# KiCad board MozzaCircuit.kicad_pcb (continued)
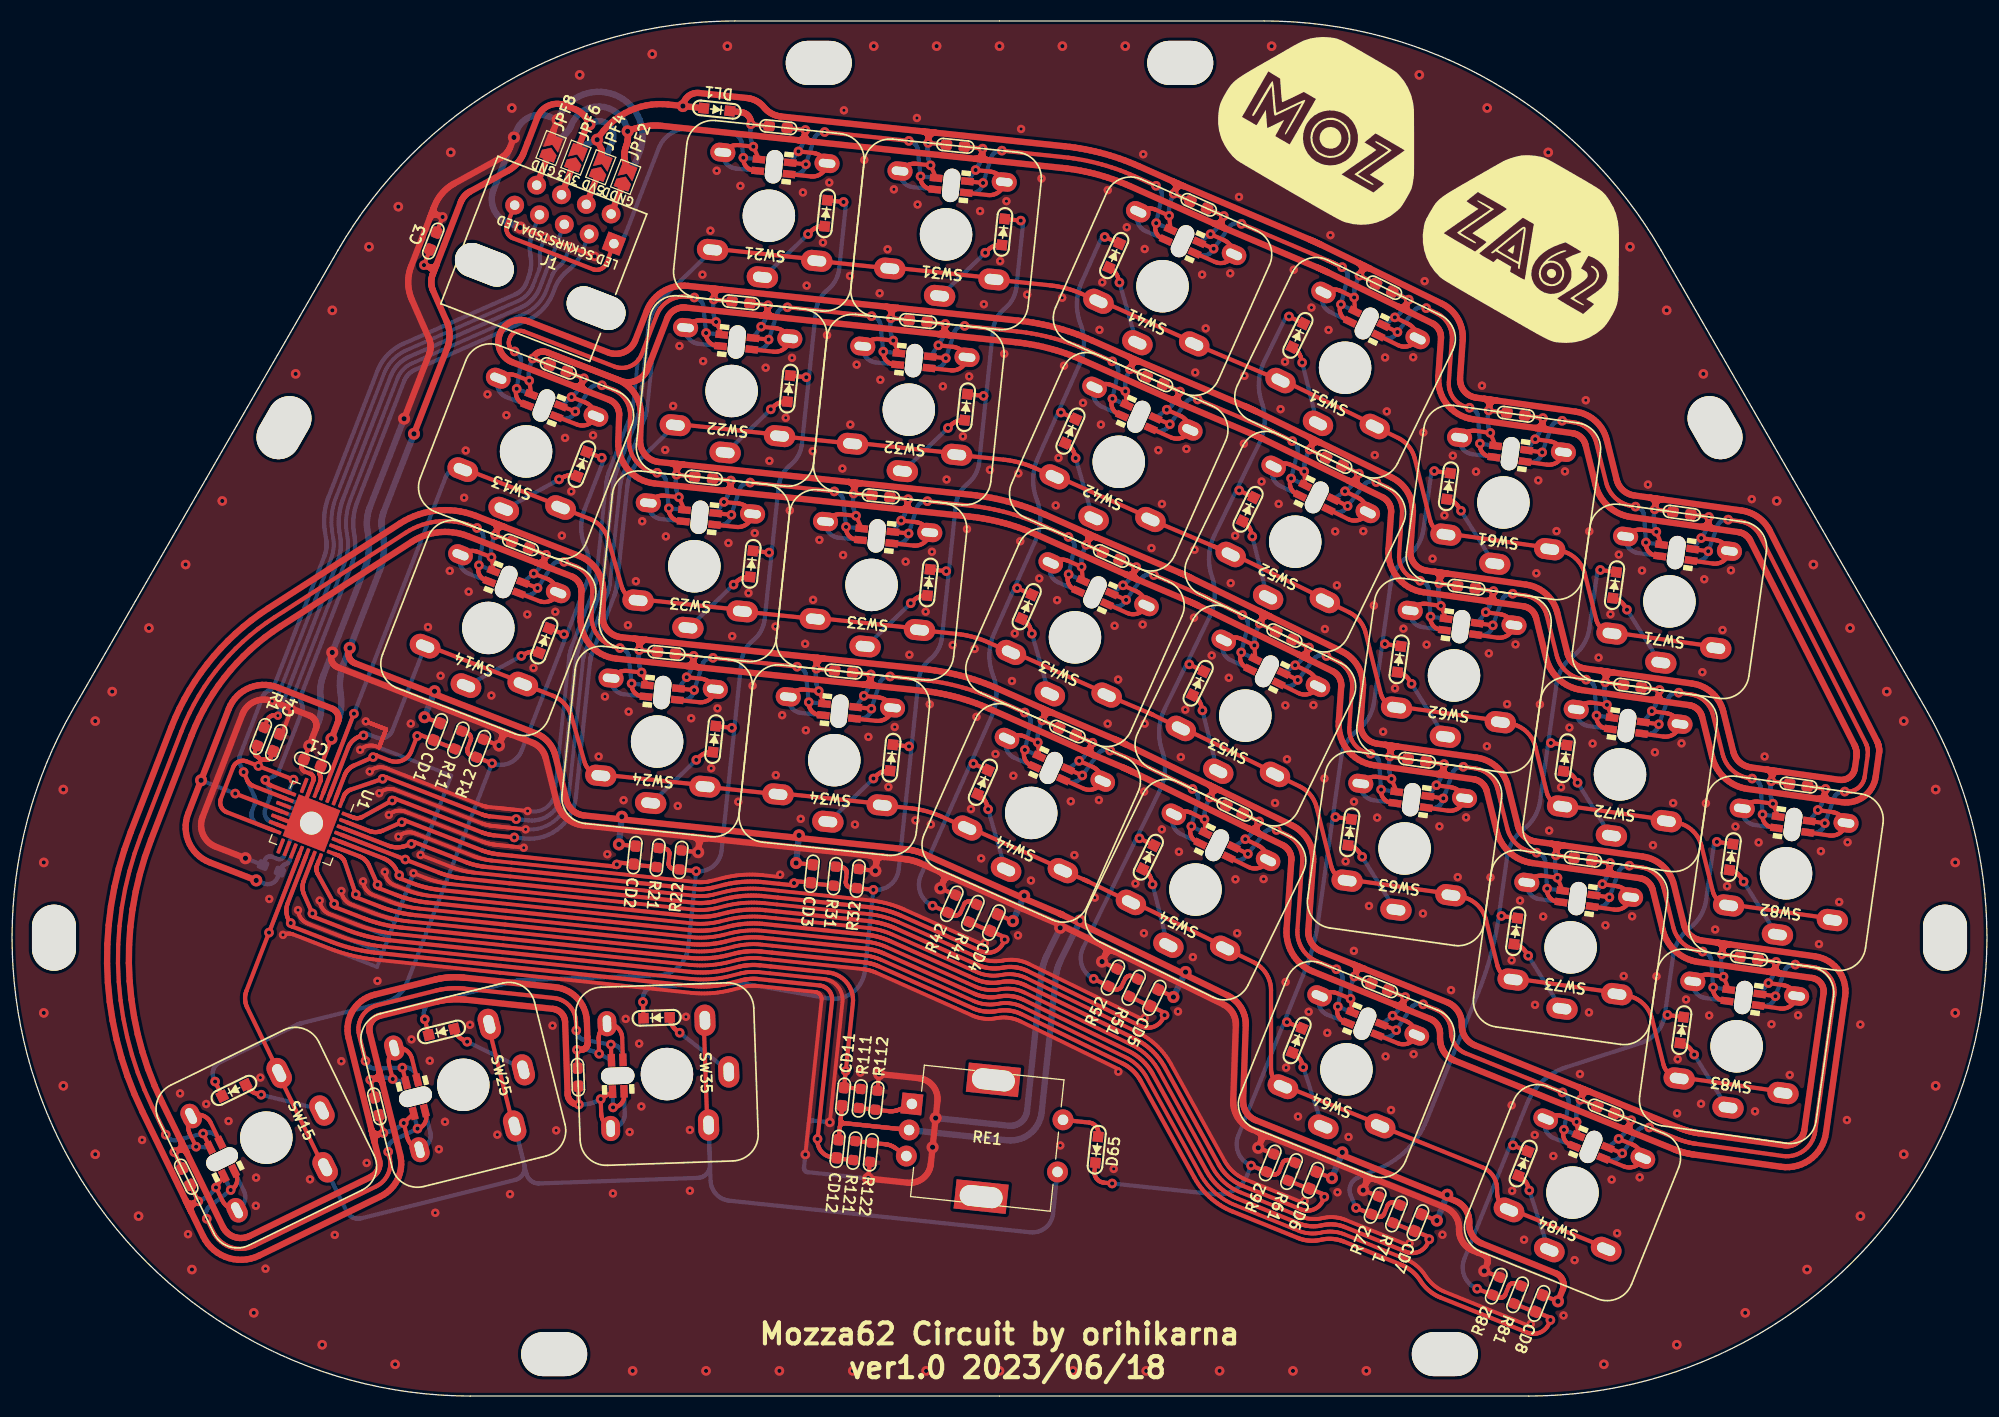
[diagram p0: board, top side]
## Routing (per net, layer and track width the routed paths; a pad name or vN(x,y) marks a point on that pad's centre or on a via; arc(x,y) is an arc through that point) (continued)
  Top w0.6: 63.5,88.92 64.1,88.85 64.04,88.86 63.97,88.85 63.91,88.84 63.85,88.83 63.79,88.81 63.74,88.78 63.68,88.74 63.63,88.7 63.59,88.66 63.55,88.61 63.52,88.56 63.49,88.5 63.46,88.44 63.45,88.38 63.44,88.32 ; 63.5,88.92 80.41,87.14 ; 63.5,88.92 61.72,89.1 61.52,89.13 61.33,89.19 61.14,89.25 60.96,89.34 60.79,89.45 60.63,89.57 60.48,89.71 60.35,89.86 60.24,90.03 60.14,90.2 60.06,90.38 59.99,90.58 59.95,90.77 59.93,90.97 59.92,91.17 60.01,93.51 60,93.8 59.98,94.1 59.93,94.39 59.85,94.68 59.76,94.96 59.64,95.23 59.49,95.48 59.33,95.73 59.15,95.96 58.95,96.18 58.73,96.38 58.5,96.56 58.25,96.72 57.99,96.86 57.72,96.98 51.18,99.52 ; 63.5,88.92 62.9,88.98 62.97,88.97 63.03,88.95 63.09,88.93 63.14,88.9 63.19,88.87 63.24,88.83 63.29,88.78 63.33,88.74 63.36,88.68 63.39,88.63 63.41,88.57 63.43,88.51 63.44,88.45 63.44,88.38 63.44,88.32 ; 50.58,79.28 51.14,79.07 51.08,79.09 51.03,79.12 50.98,79.16 50.93,79.2 50.89,79.25 50.85,79.3 50.82,79.36 50.79,79.41 50.77,79.47 50.76,79.53 50.76,79.6 50.76,79.66 50.76,79.72 50.78,79.78 50.8,79.84 ; 50.58,79.28 53.36,78.2 53.48,78.15 53.59,78.09 53.69,78.03 53.79,77.95 53.88,77.87 53.97,77.78 54.04,77.68 54.11,77.57 54.17,77.46 54.22,77.35 54.26,77.23 54.29,77.11 54.32,76.99 54.33,76.87 54.33,76.74 54.24,74.27 54.25,73.89 54.29,73.51 54.37,73.14 54.49,72.77 54.64,72.43 54.83,72.09 55.05,71.78 55.3,71.5 55.58,71.23 55.88,71 56.2,70.8 56.55,70.63 56.9,70.5 57.27,70.41 57.65,70.35 64.93,69.58 ; 50.58,79.28 50.02,79.5 50.08,79.48 50.14,79.47 50.2,79.46 50.27,79.46 50.33,79.47 50.39,79.48 50.45,79.5 50.51,79.52 50.56,79.56 50.61,79.59 50.66,79.63 50.7,79.68 50.74,79.73 50.77,79.79 50.8,79.84 ; 50.58,79.28 43.48,82.04 43.13,82.16 42.77,82.26 42.41,82.34 42.04,82.39 41.67,82.43 41.3,82.44 40.93,82.42 40.56,82.38 40.2,82.32 39.83,82.24 39.48,82.13 39.13,82.01 38.79,81.86 38.46,81.69 38.14,81.49 25.6,73.41 24.85,72.9 24.11,72.36 23.41,71.79 22.72,71.2 22.06,70.57 21.43,69.92 20.83,69.24 20.26,68.53 19.71,67.8 19.2,67.05 18.72,66.28 18.27,65.49 17.85,64.69 17.47,63.86 17.12,63.02 13.26,53.05 12.68,51.44 12.2,49.79 11.8,48.12 11.5,46.43 11.29,44.73 11.17,43.02 11.15,41.3 11.22,39.58 11.38,37.88 11.64,36.18 12,34.5 12.44,32.84 12.97,31.21 13.6,29.61 14.31,28.05 16.41,23.73 ; 81.9,68.4 v2(81.94,68.84) 81.9,68.4 ; 81.9,68.4 81.89,68.34 81.9,68.28 81.91,68.21 81.92,68.15 81.94,68.1 81.97,68.04 82.01,67.99 82.05,67.94 82.09,67.89 82.14,67.85 82.19,67.82 82.25,67.79 82.31,67.77 82.37,67.75 82.43,67.74 81.83,67.81 ; 81.9,68.4 81.89,68.34 81.87,68.28 81.85,68.22 81.82,68.16 81.78,68.11 81.74,68.06 81.7,68.02 81.65,67.98 81.6,67.95 81.54,67.92 81.48,67.89 81.42,67.88 81.36,67.87 81.3,67.86 81.24,67.87 81.83,67.81 ; 141.21,75.76 141.8,75.68 141.74,75.69 141.68,75.71 141.62,75.74 141.57,75.77 141.52,75.8 141.47,75.84 141.42,75.89 141.39,75.94 141.35,75.99 141.33,76.05 141.31,76.11 141.29,76.17 141.29,76.23 141.28,76.3 141.29,76.36 ; 141.21,75.76 144.17,75.35 144.28,75.33 144.4,75.3 144.51,75.26 144.62,75.21 144.73,75.15 144.83,75.09 144.92,75.01 145.01,74.93 145.09,74.85 145.17,74.76 145.23,74.66 145.29,74.55 145.34,74.44 145.39,74.33 145.42,74.22 146.37,70.41 146.46,70.1 146.58,69.8 146.71,69.51 146.87,69.23 147.06,68.96 147.26,68.71 147.48,68.47 147.72,68.26 147.98,68.06 148.25,67.88 148.54,67.73 148.83,67.6 149.14,67.49 149.45,67.41 149.77,67.35 157.05,66.33 ; 141.21,75.76 134.67,76.68 134.29,76.76 133.92,76.87 133.56,77.01 133.22,77.2 132.89,77.41 132.59,77.66 132.32,77.94 132.07,78.24 131.86,78.56 131.68,78.91 131.54,79.27 131.43,79.64 131.36,80.03 131.33,80.41 131.34,80.8 131.58,84.29 131.58,84.41 131.58,84.53 131.56,84.65 131.54,84.77 131.5,84.88 131.46,84.99 131.41,85.1 131.35,85.2 131.28,85.3 131.21,85.39 131.13,85.48 131.04,85.56 130.94,85.63 130.84,85.7 130.74,85.75 128.05,87.06 ; 141.21,75.76 140.61,75.85 140.68,75.84 140.74,75.84 140.8,75.85 140.86,75.87 140.92,75.89 140.98,75.91 141.03,75.94 141.08,75.98 141.13,76.03 141.17,76.07 141.21,76.12 141.24,76.18 141.26,76.24 141.28,76.3 141.29,76.36 ; 132.76,37.65 132.74,37.6 132.73,37.53 132.72,37.47 132.72,37.41 132.72,37.35 132.73,37.29 132.75,37.23 132.78,37.17 132.81,37.11 132.84,37.06 132.88,37.01 132.93,36.97 132.98,36.93 133.03,36.9 133.09,36.87 132.54,37.1 ; 132.76,37.65 v2(132.92,38.06) 132.76,37.65 ; 132.76,37.65 132.73,37.6 132.7,37.54 132.66,37.49 132.62,37.45 132.57,37.41 132.52,37.37 132.47,37.34 132.41,37.32 132.35,37.3 132.29,37.29 132.22,37.28 132.16,37.28 132.1,37.29 132.04,37.3 131.98,37.32 132.54,37.1 ; 128.76,107.28 v2(128.57,106.88) 128.76,107.28 ; 128.76,107.28 128.79,107.33 128.83,107.38 128.87,107.43 128.92,107.47 128.97,107.51 129.02,107.54 129.08,107.57 129.14,107.59 129.2,107.61 129.26,107.61 129.32,107.61 129.38,107.61 129.45,107.6 129.51,107.58 129.56,107.55 129.02,107.82 ; 128.76,107.28 128.79,107.34 128.8,107.4 128.82,107.46 128.82,107.52 128.82,107.58 128.81,107.65 128.8,107.71 128.78,107.77 128.75,107.82 128.72,107.88 128.68,107.93 128.64,107.97 128.59,108.01 128.54,108.05 128.49,108.08 129.02,107.82 ; 157.13,66.92 v2(157.19,67.36) 157.13,66.92 ; 157.13,66.92 157.13,66.86 157.13,66.8 157.13,66.73 157.15,66.67 157.17,66.61 157.2,66.56 157.23,66.5 157.27,66.45 157.31,66.41 157.36,66.37 157.41,66.33 157.46,66.3 157.52,66.27 157.58,66.26 157.64,66.24 157.05,66.33 ; 157.13,66.92 157.12,66.86 157.1,66.8 157.08,66.74 157.05,66.69 157.01,66.64 156.97,66.59 156.92,66.55 156.87,66.51 156.82,66.48 156.76,66.45 156.7,66.43 156.64,66.41 156.58,66.41 156.52,66.41 156.45,66.41 157.05,66.33 ; 64.93,69.58 81.83,67.81 ; 64.93,69.58 64.33,69.65 64.39,69.64 64.45,69.65 64.52,69.66 64.58,69.67 64.64,69.69 64.69,69.72 64.74,69.76 64.79,69.8 64.84,69.84 64.88,69.89 64.91,69.94 64.94,70 64.96,70.06 64.98,70.12 64.99,70.18 ; 64.93,69.58 65.52,69.52 65.46,69.53 65.4,69.55 65.34,69.57 65.29,69.6 65.23,69.63 65.18,69.67 65.14,69.71 65.1,69.76 65.07,69.82 65.04,69.87 65.01,69.93 65,69.99 64.99,70.05 64.99,70.12 64.99,70.18 ; 172.97,57.49 172.96,57.42 172.94,57.36 172.92,57.31 172.89,57.25 172.85,57.2 172.81,57.15 172.76,57.11 172.71,57.07 172.66,57.04 172.6,57.01 172.54,56.99 172.48,56.98 172.42,56.97 172.36,56.97 172.29,56.97 172.89,56.89 ; 172.97,57.49 172.97,57.42 172.97,57.36 172.98,57.3 172.99,57.24 173.01,57.18 173.04,57.12 173.07,57.07 173.11,57.02 173.15,56.97 173.2,56.93 173.25,56.89 173.3,56.86 173.36,56.84 173.42,56.82 173.48,56.81 172.89,56.89 ; 172.97,57.49 v2(173.03,57.92) 172.97,57.49 ; 128.31,87.6 128.28,87.55 128.25,87.5 128.21,87.45 128.16,87.41 128.11,87.37 128.06,87.34 128,87.31 127.94,87.29 127.88,87.27 127.82,87.27 127.75,87.27 127.69,87.27 127.63,87.28 127.57,87.3 127.51,87.33 128.05,87.06 ; 128.31,87.6 128.29,87.54 128.27,87.48 128.26,87.42 128.25,87.36 128.25,87.3 128.26,87.24 128.28,87.17 128.3,87.12 128.32,87.06 128.36,87 128.39,86.95 128.44,86.91 128.48,86.87 128.53,86.83 128.59,86.8 128.05,87.06 ; 128.31,87.6 v2(128.51,88) 128.31,87.6 ; 141.29,76.36 v2(141.35,76.79) 141.29,76.36 ; 131.61,62.05 139.74,60.9 140.02,60.85 140.29,60.78 140.56,60.69 140.82,60.57 141.07,60.44 141.31,60.28 141.53,60.11 141.75,59.92 141.94,59.71 142.12,59.49 142.28,59.26 142.42,59.01 142.54,58.75 142.64,58.49 142.72,58.22 143.67,54.41 143.72,54.26 143.77,54.11 143.84,53.96 143.92,53.83 144.01,53.7 144.11,53.57 144.22,53.46 144.34,53.35 144.46,53.25 144.6,53.17 144.74,53.09 144.88,53.03 145.03,52.97 145.19,52.93 145.34,52.91 147.45,52.61 ; 131.61,62.05 132.2,61.96 132.14,61.97 132.08,61.97 132.01,61.96 131.95,61.94 131.89,61.92 131.84,61.9 131.78,61.87 131.73,61.83 131.69,61.78 131.64,61.74 131.61,61.69 131.58,61.63 131.55,61.57 131.54,61.51 131.52,61.45 ; 131.61,62.05 130.24,62.24 130.06,62.27 129.89,62.32 129.72,62.39 129.55,62.48 129.4,62.58 129.26,62.7 129.13,62.83 129.01,62.98 128.91,63.13 128.83,63.29 128.76,63.46 128.71,63.64 128.67,63.82 128.66,64.01 128.66,64.19 128.9,67.55 128.91,67.84 128.89,68.12 128.86,68.4 128.8,68.68 128.72,68.95 128.62,69.22 128.49,69.47 128.35,69.72 128.19,69.95 128.01,70.17 127.82,70.38 127.6,70.57 127.38,70.74 127.14,70.9 126.89,71.03 119.51,74.63 ; 131.61,62.05 131.01,62.13 131.07,62.12 131.13,62.1 131.19,62.07 131.25,62.04 131.3,62.01 131.35,61.97 131.39,61.92 131.43,61.87 131.46,61.82 131.49,61.76 131.51,61.7 131.52,61.64 131.53,61.58 131.53,61.51 131.52,61.45 ; 63.44,88.32 v2(63.39,87.88) 63.44,88.32 ; 156.88,85.62 157.47,85.54 157.41,85.54 157.35,85.54 157.28,85.53 157.22,85.52 157.16,85.5 157.11,85.47 157.05,85.44 157,85.4 156.96,85.36 156.91,85.31 156.88,85.26 156.85,85.2 156.82,85.15 156.81,85.09 156.79,85.02 ; 156.88,85.62 165.01,84.48 165.24,84.44 165.46,84.38 165.68,84.31 165.89,84.23 166.1,84.14 166.3,84.03 166.5,83.91 166.69,83.78 166.86,83.63 167.03,83.47 167.19,83.31 167.34,83.13 167.47,82.95 167.6,82.75 167.71,82.55 177.93,62.49 177.97,62.41 178,62.34 178.03,62.26 178.06,62.18 178.08,62.11 178.1,62.03 178.12,61.95 178.13,61.87 178.14,61.79 178.15,61.71 178.15,61.62 178.15,61.54 178.15,61.46 178.14,61.38 178.13,61.3 177.82,59.09 177.76,58.79 177.68,58.51 177.56,58.23 177.41,57.97 177.24,57.73 177.04,57.5 176.83,57.29 176.59,57.11 176.33,56.96 176.06,56.83 175.77,56.74 175.48,56.67 175.19,56.63 174.89,56.63 174.59,56.65 172.89,56.89 ; 156.88,85.62 156.28,85.7 156.34,85.69 156.4,85.67 156.46,85.65 156.52,85.62 156.57,85.58 156.62,85.54 156.66,85.49 156.7,85.44 156.73,85.39 156.76,85.33 156.78,85.27 156.79,85.21 156.8,85.15 156.8,85.09 156.79,85.02 ; 156.88,85.62 154.77,85.91 154.62,85.94 154.46,85.98 154.31,86.04 154.17,86.1 154.03,86.18 153.89,86.26 153.77,86.36 153.65,86.47 153.54,86.58 153.44,86.7 153.35,86.84 153.27,86.97 153.2,87.12 153.15,87.27 153.1,87.42 152.15,91.23 152.07,91.5 151.97,91.76 151.85,92.02 151.71,92.27 151.55,92.5 151.37,92.72 151.18,92.93 150.96,93.12 150.74,93.29 150.5,93.44 150.25,93.58 149.99,93.69 149.72,93.79 149.45,93.86 149.17,93.91 141.04,95.05 ; 111.02,94.88 110.47,95.12 110.53,95.1 110.59,95.08 110.65,95.07 110.71,95.07 110.77,95.07 110.84,95.08 110.9,95.1 110.96,95.12 111.01,95.15 111.06,95.18 111.11,95.22 111.16,95.27 111.2,95.32 111.23,95.37 111.26,95.42 ; 111.02,94.88 102.19,98.81 101.78,98.98 101.37,99.15 100.95,99.31 100.53,99.46 100.11,99.6 99.69,99.74 99.26,99.86 98.83,99.98 98.4,100.08 97.96,100.18 97.52,100.27 97.09,100.35 96.65,100.42 96.21,100.48 95.76,100.53 88.94,101.25 ; 111.02,94.88 111.56,94.63 111.51,94.66 111.46,94.7 111.41,94.73 111.36,94.78 111.32,94.83 111.29,94.88 111.26,94.94 111.24,95 111.22,95.06 111.21,95.12 111.21,95.18 111.21,95.24 111.22,95.31 111.24,95.37 111.26,95.42 ; 111.02,94.88 118.34,91.77 118.47,91.71 118.54,91.68 118.61,91.65 118.68,91.62 118.81,91.56 118.88,91.53 118.95,91.5 119.01,91.47 119.35,91.31 128.05,87.06 ; 132.54,37.1 124.15,40.48 123.84,40.63 123.54,40.79 123.26,40.98 122.99,41.2 122.74,41.44 122.52,41.69 122.31,41.97 122.13,42.26 121.97,42.56 121.84,42.88 121.74,43.2 121.66,43.54 121.62,43.88 121.6,44.22 121.61,44.56 122.06,51.1 122.07,51.22 122.06,51.34 122.05,51.46 122.02,51.58 121.99,51.69 121.95,51.8 121.89,51.91 121.83,52.02 121.77,52.11 121.69,52.21 121.61,52.29 121.52,52.37 121.43,52.45 121.33,52.51 121.22,52.57 118.53,53.88 ; 132.54,37.1 135.31,35.98 135.41,35.93 135.52,35.87 135.62,35.81 135.71,35.73 135.8,35.65 135.88,35.57 135.96,35.47 136.02,35.37 136.08,35.27 136.13,35.16 136.17,35.05 136.21,34.93 136.23,34.82 136.24,34.7 136.25,34.58 136.25,34.08 136.26,33.9 136.28,33.72 136.31,33.55 136.36,33.38 136.42,33.21 136.5,33.05 136.59,32.9 136.69,32.75 136.8,32.61 136.92,32.48 137.05,32.36 137.19,32.25 137.34,32.15 137.49,32.07 137.66,31.99 154.1,25.35 ; 87.52,120.58 88.11,120.52 88.05,120.52 87.99,120.52 87.92,120.51 87.86,120.49 87.81,120.47 87.75,120.44 87.7,120.41 87.65,120.37 87.6,120.32 87.56,120.27 87.53,120.22 87.5,120.16 87.48,120.11 87.46,120.04 87.45,119.98 ; 87.52,120.58 100.44,119.22 100.92,119.17 101.41,119.1 101.89,119.02 102.37,118.94 102.85,118.84 103.33,118.73 103.8,118.62 104.27,118.49 104.74,118.35 105.21,118.21 105.67,118.05 106.13,117.89 106.59,117.71 107.04,117.53 107.49,117.33 111.26,115.65 ; 87.52,120.58 73.37,122.07 73.24,122.08 73.12,122.11 72.99,122.14 72.87,122.17 72.75,122.21 72.64,122.26 72.52,122.32 72.41,122.38 72.31,122.44 72.2,122.51 72.1,122.59 72.01,122.67 71.91,122.76 71.83,122.85 71.66,123.04 71.58,123.13 71.49,123.22 71.39,123.3 71.29,123.38 71.19,123.45 71.08,123.52 70.97,123.58 70.85,123.63 70.74,123.68 70.62,123.72 70.5,123.76 70.37,123.79 70.25,123.81 70.13,123.83 65.55,124.31 65.4,124.32 65.26,124.31 65.11,124.28 64.97,124.25 64.83,124.19 64.7,124.13 64.58,124.05 64.47,123.96 64.36,123.85 64.27,123.74 64.19,123.62 64.12,123.48 64.07,123.35 64.03,123.21 v1(64.01,123.06) ; 87.52,120.58 86.92,120.64 86.98,120.63 87.04,120.62 87.1,120.59 87.16,120.57 87.21,120.53 87.26,120.49 87.3,120.45 87.34,120.4 87.38,120.35 87.4,120.29 87.43,120.23 87.44,120.17 87.45,120.11 87.46,120.05 87.45,119.98 ; 111.26,115.65 110.72,115.9 110.77,115.87 110.82,115.83 110.87,115.79 110.92,115.75 110.96,115.7 110.99,115.65 111.02,115.59 111.04,115.53 111.06,115.47 111.07,115.41 111.07,115.35 111.07,115.28 111.06,115.22 111.04,115.16 111.02,115.1 ; 111.26,115.65 123.79,110.33 123.94,110.27 124.02,110.24 124.09,110.2 124.17,110.17 124.24,110.14 124.32,110.1 124.46,110.04 124.54,110 124.61,109.97 124.68,109.93 124.76,109.9 124.83,109.86 124.91,109.83 129.02,107.82 ; 111.26,115.65 111.81,115.41 111.75,115.43 111.69,115.45 111.63,115.46 111.57,115.46 111.51,115.46 111.44,115.45 111.38,115.43 111.32,115.41 111.27,115.38 111.22,115.34 111.17,115.31 111.12,115.26 111.08,115.21 111.05,115.16 111.02,115.1 ; 157.05,66.33 160.01,65.91 160.12,65.89 160.24,65.86 160.35,65.82 160.46,65.77 160.57,65.72 160.67,65.65 160.76,65.58 160.85,65.5 160.93,65.41 161.01,65.32 161.07,65.22 161.13,65.12 161.19,65.01 161.23,64.9 161.26,64.78 162.21,60.98 162.3,60.66 162.42,60.36 162.55,60.07 162.72,59.79 162.9,59.52 163.1,59.27 163.32,59.04 163.56,58.82 163.82,58.62 164.09,58.45 164.38,58.29 164.67,58.16 164.98,58.05 165.29,57.97 165.61,57.91 172.89,56.89 ; 102.66,61.38 93.28,65.56 92.87,65.73 92.46,65.9 92.04,66.06 91.62,66.21 91.2,66.35 90.78,66.49 90.35,66.61 89.92,66.73 89.48,66.83 89.05,66.93 88.61,67.02 88.18,67.1 87.74,67.17 87.3,67.23 86.85,67.28 81.83,67.81 ; 102.66,61.38 103.21,61.13 103.16,61.16 103.1,61.2 103.05,61.24 103.01,61.28 102.97,61.33 102.94,61.38 102.91,61.44 102.89,61.5 102.87,61.56 102.86,61.62 102.86,61.68 102.86,61.74 102.87,61.81 102.89,61.87 102.91,61.93 ; 102.66,61.38 102.12,61.62 102.17,61.6 102.23,61.58 102.3,61.57 102.36,61.57 102.42,61.57 102.48,61.58 102.54,61.6 102.6,61.62 102.66,61.65 102.71,61.68 102.76,61.72 102.81,61.77 102.84,61.82 102.88,61.87 102.91,61.93 ; 102.66,61.38 105.94,59.99 106.01,59.96 106.08,59.93 106.28,59.84 106.35,59.81 106.42,59.78 106.49,59.75 106.62,59.68 106.69,59.65 106.89,59.56 106.95,59.52 118.53,53.88 ; 141.04,95.05 139.68,95.25 139.51,95.28 139.34,95.33 139.17,95.4 139.02,95.48 138.87,95.58 138.73,95.69 138.61,95.82 138.5,95.95 138.4,96.1 138.32,96.26 138.25,96.42 138.2,96.59 138.17,96.77 138.16,96.94 138.16,97.12 138.41,100.74 138.42,101.02 138.41,101.31 138.37,101.59 138.31,101.87 138.23,102.14 138.13,102.4 138.01,102.66 137.87,102.91 137.71,103.14 137.53,103.36 137.33,103.57 137.12,103.76 136.89,103.93 136.66,104.08 136.41,104.22 129.02,107.82 ; 141.04,95.05 140.44,95.14 140.5,95.13 140.56,95.11 140.62,95.08 140.68,95.05 140.73,95.02 140.78,94.98 140.82,94.93 140.86,94.88 140.89,94.83 140.92,94.77 140.94,94.71 140.95,94.65 140.96,94.59 140.96,94.52 140.95,94.46 ; 141.04,95.05 141.63,94.97 141.57,94.98 141.51,94.98 141.44,94.97 141.38,94.95 141.32,94.93 141.27,94.91 141.21,94.87 141.16,94.84 141.12,94.79 141.07,94.75 141.04,94.69 141.01,94.64 140.98,94.58 140.97,94.52 140.95,94.46 ; 118.8,54.42 118.77,54.36 118.73,54.31 118.69,54.26 118.64,54.22 118.59,54.18 118.54,54.15 118.48,54.12 118.42,54.1 118.36,54.09 118.3,54.08 118.24,54.08 118.17,54.08 118.11,54.1 118.05,54.11 118,54.14 118.53,53.88 ; 118.8,54.42 118.77,54.36 118.75,54.3 118.74,54.24 118.74,54.17 118.74,54.11 118.75,54.05 118.76,53.99 118.78,53.93 118.81,53.87 118.84,53.82 118.88,53.77 118.92,53.72 118.97,53.68 119.02,53.64 119.07,53.61 118.53,53.88 ; 118.8,54.42 v2(118.99,54.81) 118.8,54.42 ; 80.35,86.54 80.36,86.6 80.37,86.67 80.39,86.72 80.42,86.78 80.46,86.83 80.5,86.88 80.54,86.93 80.59,86.97 80.64,87 80.7,87.03 80.76,87.05 80.82,87.07 80.88,87.08 80.94,87.08 81.01,87.08 80.41,87.14 ; 80.35,86.54 v2(80.3,86.11) 80.35,86.54 ; 80.35,86.54 80.35,86.61 80.35,86.67 80.34,86.73 80.32,86.79 80.3,86.85 80.27,86.91 80.23,86.96 80.19,87.01 80.15,87.05 80.1,87.09 80.05,87.13 79.99,87.15 79.93,87.18 79.87,87.19 79.81,87.2 80.41,87.14 ; 51.18,99.52 58.06,96.85 58.25,96.78 58.46,96.74 58.67,96.72 58.88,96.72 59.08,96.74 59.29,96.78 59.49,96.84 59.68,96.93 59.86,97.03 60.03,97.16 60.19,97.29 60.33,97.45 60.45,97.62 60.56,97.8 60.64,97.99 62.49,102.76 62.55,102.89 62.62,103.02 62.71,103.15 62.8,103.26 62.9,103.37 63.01,103.47 63.13,103.56 63.26,103.64 63.39,103.7 63.53,103.76 63.67,103.8 63.82,103.83 63.97,103.84 64.12,103.85 64.26,103.84 72.03,103.02 ; 51.18,99.52 51.03,99.57 50.93,99.61 50.82,99.63 50.71,99.64 50.6,99.64 50.49,99.63 50.39,99.61 50.28,99.58 50.18,99.53 50.09,99.48 50,99.42 49.92,99.34 49.85,99.26 49.78,99.17 49.73,99.08 v2(49.68,98.98) ; 102.67,81.6 v2(102.49,81.2) 102.67,81.6 ; 102.67,81.6 102.7,81.66 102.73,81.71 102.77,81.76 102.81,81.81 102.86,81.85 102.92,81.88 102.97,81.91 103.03,81.93 103.09,81.95 103.15,81.96 103.22,81.96 103.28,81.96 103.34,81.95 103.4,81.93 103.46,81.91 102.91,82.15 ; 102.67,81.6 102.69,81.66 102.71,81.72 102.72,81.79 102.72,81.85 102.72,81.91 102.71,81.97 102.69,82.03 102.67,82.09 102.64,82.15 102.6,82.2 102.57,82.25 102.52,82.29 102.47,82.33 102.42,82.37 102.36,82.4 102.91,82.15 ; 147.36,52.02 147.37,52.08 147.37,52.14 147.36,52.2 147.35,52.26 147.33,52.32 147.3,52.38 147.27,52.43 147.23,52.48 147.19,52.53 147.14,52.57 147.09,52.61 147.03,52.64 146.98,52.66 146.92,52.68 146.85,52.69 147.45,52.61 ; 147.36,52.02 v2(147.3,51.58) 147.36,52.02 ; 147.36,52.02 147.38,52.08 147.39,52.14 147.42,52.19 147.45,52.25 147.49,52.3 147.53,52.35 147.57,52.39 147.62,52.43 147.68,52.46 147.73,52.49 147.79,52.51 147.85,52.52 147.92,52.53 147.98,52.53 148.04,52.53 147.45,52.61 ; 119.51,74.63 118.97,74.89 119.02,74.86 119.08,74.83 119.12,74.79 119.17,74.74 119.2,74.69 119.24,74.64 119.26,74.58 119.28,74.52 119.3,74.46 119.3,74.4 119.31,74.33 119.3,74.27 119.29,74.21 119.27,74.15 119.25,74.09 ; 119.51,74.63 120.05,74.37 119.99,74.39 119.93,74.41 119.87,74.42 119.81,74.43 119.74,74.43 119.68,74.42 119.62,74.4 119.56,74.38 119.5,74.36 119.45,74.33 119.4,74.29 119.35,74.24 119.31,74.2 119.28,74.15 119.25,74.09 ; 119.51,74.63 112.52,78.04 112.44,78.08 112.37,78.11 112.3,78.15 112.22,78.18 112.08,78.25 112,78.28 111.93,78.32 111.85,78.35 111.78,78.38 111.63,78.45 111.56,78.48 111.48,78.52 111.41,78.55 102.91,82.15 ; 163.29,43.17 161.18,43.47 161.03,43.5 160.87,43.54 160.72,43.59 160.58,43.65 160.44,43.73 160.31,43.82 160.18,43.91 160.06,44.02 159.95,44.14 159.85,44.26 159.76,44.39 159.68,44.53 159.61,44.67 159.56,44.82 159.51,44.97 158.56,48.78 158.48,49.05 158.38,49.32 158.26,49.58 158.12,49.82 157.96,50.06 157.78,50.28 157.59,50.48 157.38,50.67 157.15,50.85 156.91,51 156.66,51.13 156.4,51.25 156.13,51.34 155.86,51.42 155.58,51.47 147.45,52.61 ; 163.29,43.17 162.7,43.26 162.76,43.24 162.82,43.23 162.87,43.2 162.93,43.17 162.98,43.13 163.03,43.09 163.07,43.05 163.11,43 163.14,42.94 163.17,42.89 163.19,42.83 163.2,42.77 163.21,42.7 163.21,42.64 163.21,42.58 ; 163.29,43.17 163.88,43.09 163.82,43.09 163.76,43.09 163.7,43.09 163.63,43.07 163.58,43.05 163.52,43.02 163.46,42.99 163.41,42.95 163.37,42.91 163.33,42.86 163.29,42.81 163.26,42.76 163.24,42.7 163.22,42.64 163.21,42.58 ; 163.29,43.17 172.02,41.95 172.36,41.88 172.7,41.77 173.03,41.64 173.34,41.46 173.63,41.26 173.9,41.03 174.14,40.77 174.35,40.49 174.54,40.18 174.69,39.86 174.8,39.52 174.88,39.18 174.93,38.83 174.93,38.47 174.9,38.12 173.07,25.1 172.99,24.71 172.88,24.33 172.72,23.96 172.53,23.62 172.3,23.29 172.04,22.99 171.75,22.72 171.44,22.48 171.1,22.28 170.74,22.11 170.36,21.98 169.98,21.89 169.58,21.84 169.19,21.84 168.79,21.87 160.44,23.04 160.31,23.06 160.18,23.09 160.05,23.11 159.92,23.13 159.8,23.16 159.67,23.19 159.54,23.22 159.42,23.26 159.29,23.29 159.17,23.33 159.04,23.37 158.92,23.41 158.8,23.46 158.68,23.5 158.55,23.55 154.1,25.35 ; 163.21,42.58 v2(163.14,42.14) 163.21,42.58 ; 102.91,82.15 98.58,84.08 98.13,84.28 97.68,84.46 97.22,84.63 96.76,84.8 96.3,84.96 95.83,85.1 95.36,85.24 94.89,85.37 94.42,85.48 93.94,85.59 93.46,85.69 92.98,85.77 92.5,85.85 92.01,85.91 91.53,85.97 80.41,87.14 ; 15.87,23.46 15.93,23.49 15.98,23.53 16.03,23.57 16.07,23.62 16.11,23.67 16.14,23.72 16.17,23.78 16.19,23.84 16.2,23.9 16.21,23.96 16.21,24.02 16.21,24.09 16.19,24.15 16.18,24.21 16.15,24.27 16.41,23.73 ; 15.87,23.46 15.93,23.49 15.99,23.51 16.05,23.52 16.12,23.52 16.18,23.52 16.24,23.52 16.3,23.5 16.36,23.48 16.42,23.45 16.47,23.42 16.52,23.38 16.57,23.34 16.61,23.29 16.65,23.24 16.68,23.19 16.41,23.73 ; 15.87,23.46 v2(15.48,23.27) 15.87,23.46 ; 89,101.84 v2(89.05,102.28) 89,101.84 ; 89,101.84 89,101.78 89,101.72 89.01,101.65 89.03,101.59 89.05,101.54 89.08,101.48 89.11,101.43 89.15,101.38 89.2,101.33 89.25,101.29 89.3,101.26 89.36,101.23 89.41,101.21 89.48,101.19 89.54,101.18 88.94,101.25 ; 89,101.84 88.99,101.78 88.98,101.72 88.95,101.66 88.93,101.6 88.89,101.55 88.85,101.5 88.81,101.46 88.76,101.42 88.71,101.39 88.65,101.36 88.59,101.33 88.53,101.32 88.47,101.31 88.41,101.3 88.34,101.31 88.94,101.25 ; 34.43,24.85 35.01,22.53 35.03,22.41 35.05,22.28 35.05,22.15 35.04,22.02 35.02,21.9 34.99,21.77 34.94,21.65 34.89,21.54 34.83,21.43 34.75,21.32 34.67,21.22 34.58,21.14 34.48,21.06 34.37,20.98 34.26,20.92 22.66,15.27 22.48,15.19 22.29,15.13 22.09,15.09 21.89,15.08 21.69,15.08 21.5,15.1 21.3,15.15 21.11,15.21 20.93,15.3 20.76,15.4 20.6,15.52 20.45,15.66 20.32,15.81 20.21,15.97 20.11,16.15 16.41,23.73 ; 34.43,24.85 34.29,25.43 34.3,25.37 34.33,25.31 34.36,25.26 34.4,25.21 34.44,25.16 34.48,25.12 34.53,25.08 34.59,25.05 34.64,25.02 34.7,25 34.76,24.98 34.83,24.98 34.89,24.98 34.95,24.98 35.01,24.99 v2(35.44,25.1) 35.01,24.99 34.95,24.97 34.9,24.95 34.84,24.92 34.79,24.88 34.74,24.84 34.7,24.8 34.66,24.75 34.63,24.69 34.6,24.64 34.58,24.58 34.57,24.52 34.56,24.45 34.56,24.39 34.56,24.33 34.58,24.27 34.43,24.85 ; 34.43,24.85 32.11,34.17 32.04,34.52 32.01,34.88 32.01,35.23 32.06,35.58 32.14,35.93 32.25,36.26 32.4,36.59 32.59,36.89 32.8,37.17 33.04,37.43 33.31,37.67 33.6,37.87 33.91,38.04 34.24,38.18 34.58,38.28 40.35,39.72 40.53,39.77 40.71,39.81 40.89,39.84 41.08,39.87 41.26,39.9 41.45,39.92 41.63,39.93 41.82,39.95 42,39.96 42.19,39.96 42.38,39.96 42.56,39.96 42.75,39.95 42.93,39.93 43.12,39.92 51.81,39 52.13,38.95 52.45,38.88 52.75,38.77 53.04,38.63 53.32,38.46 53.58,38.27 53.82,38.06 54.05,37.82 54.24,37.57 54.41,37.29 54.56,37 54.68,36.7 54.76,36.39 54.82,36.07 54.85,35.75 54.9,34.26 54.92,33.66 54.92,33.6 54.91,33.54 54.9,33.48 54.88,33.42 54.85,33.36 54.82,33.31 54.78,33.26 54.74,33.21 54.69,33.17 54.64,33.13 54.58,33.1 54.52,33.08 54.46,33.06 54.4,33.05 54.34,33.04 v2(53.9,33.03) ; 72.03,103.02 72.63,102.96 72.57,102.97 72.51,102.99 72.45,103.01 72.39,103.04 72.34,103.07 72.29,103.11 72.25,103.15 72.21,103.2 72.17,103.26 72.15,103.31 72.12,103.37 72.11,103.43 72.1,103.49 72.09,103.56 72.1,103.62 ; 72.03,103.02 71.44,103.09 71.5,103.08 71.56,103.09 71.62,103.1 71.69,103.11 71.74,103.13 71.8,103.16 71.85,103.2 71.9,103.24 71.95,103.28 71.99,103.33 72.02,103.38 72.05,103.44 72.07,103.5 72.09,103.56 72.1,103.62 ; 72.03,103.02 88.94,101.25 ; 156.79,85.02 v2(156.73,84.59) 156.79,85.02 ; 154.1,25.35 153.55,25.57 153.61,25.55 153.67,25.54 153.73,25.53 153.79,25.53 153.86,25.53 153.92,25.55 153.98,25.56 154.04,25.59 154.09,25.62 154.14,25.66 154.19,25.7 154.23,25.74 154.27,25.79 154.3,25.85 154.33,25.9 ; 154.1,25.35 154.66,25.12 154.6,25.15 154.55,25.18 154.5,25.22 154.45,25.26 154.41,25.31 154.38,25.36 154.35,25.42 154.32,25.47 154.3,25.53 154.29,25.6 154.29,25.66 154.29,25.72 154.29,25.78 154.31,25.84 154.33,25.9 ; 119.25,74.09 v2(119.05,73.7) 119.25,74.09 ; 50.8,79.84 v2(50.95,80.25) 50.8,79.84 ; DL1.2 v1(64.01,123.06) ; v1(64.01,123.06) 62.6,123.21 62.06,123.25 61.53,123.24 61,123.2 60.48,123.11 59.96,122.99 59.46,122.83 58.96,122.63 58.49,122.39 58.03,122.12 57.59,121.81 57.18,121.48 56.8,121.11 56.44,120.71 56.12,120.29 v1(55.83,119.85) 56.21,118.97 56.23,118.93 56.24,118.89 56.26,118.85 56.27,118.81 56.27,118.76 56.28,118.72 56.28,118.68 56.28,118.64 56.28,118.59 56.28,118.55 56.27,118.51 56.26,118.47 56.25,118.42 56.24,118.38 56.23,118.34 56.22,118.31 56.21,118.27 56.2,118.24 56.2,118.2 56.21,118.17 56.22,118.13 56.23,118.1 56.24,118.07 56.26,118.03 56.28,118.01 56.3,117.98 56.33,117.96 56.36,117.93 56.39,117.92 JPF4.2 ; 87.45,119.98 v2(87.41,119.55) 87.45,119.98 ; 64.99,70.18 v2(65.03,70.62) 64.99,70.18 ; 131.52,61.45 v2(131.46,61.02) 131.52,61.45 ; 102.91,61.93 v2(103.09,62.33) 102.91,61.93 ; 111.02,115.1 v2(110.84,114.7) 111.02,115.1 ; 111.26,95.42 v2(111.44,95.83) 111.26,95.42 ; 72.1,103.62 v2(72.14,104.06) 72.1,103.62 ; 154.33,25.9 v2(154.49,26.31) 154.33,25.9 ; 140.95,94.46 v2(140.89,94.03) 140.95,94.46
  Bottom w0.4: 48.74,77.62 v2(49.78,78.46) 49.87,78.53 49.95,78.61 50.04,78.69 50.12,78.78 50.2,78.86 50.27,78.95 50.35,79.04 50.42,79.14 50.48,79.24 50.54,79.34 50.6,79.44 50.66,79.54 50.71,79.65 50.76,79.75 50.8,79.86 v2(50.95,80.25) 49.32,80.89 ; 144.53,48.99 144.52,48.85 144.52,48.7 144.54,48.55 144.57,48.41 144.62,48.27 144.68,48.14 144.75,48.01 144.84,47.9 144.94,47.79 145.05,47.69 145.17,47.61 145.3,47.54 145.44,47.48 145.58,47.44 145.72,47.41 147.8,47.12 ; C43.1 v2(102.49,81.2) 102.32,80.82 102.27,80.71 102.23,80.6 102.19,80.49 102.16,80.38 102.13,80.26 102.1,80.15 102.08,80.04 102.06,79.92 102.05,79.8 102.04,79.69 102.03,79.57 102.03,79.45 102.03,79.33 102.04,79.22 v2(102.05,79.1) ; 125.13,105.28 125.07,105.14 125.03,105 125,104.86 124.99,104.71 124.99,104.57 125.01,104.42 125.04,104.28 125.09,104.14 125.15,104.01 125.23,103.88 125.32,103.76 125.42,103.66 125.53,103.56 125.65,103.48 125.77,103.41 L51.8 ; SW41.5 107.41,112.84 107.37,112.7 107.35,112.55 107.34,112.41 107.35,112.26 107.37,112.12 107.41,111.98 107.46,111.84 107.53,111.71 107.61,111.59 107.7,111.47 107.8,111.37 107.92,111.28 108.04,111.2 108.17,111.13 110.09,110.28 ; L15.8 v2(17.56,23.79) 17.45,23.79 17.33,23.8 17.21,23.79 17.09,23.79 16.98,23.78 16.86,23.76 16.75,23.74 16.63,23.72 16.52,23.7 16.4,23.67 16.29,23.63 16.18,23.59 16.07,23.55 15.96,23.51 15.86,23.46 v2(15.48,23.27) C15.1 ; 53.96,31.28 v2(53.9,33.03) 54.32,33.04 54.44,33.05 54.55,33.04 54.67,33.04 54.79,33.03 54.9,33.01 55.02,32.99 55.14,32.97 55.25,32.95 55.36,32.91 55.48,32.88 55.59,32.84 55.7,32.8 55.8,32.75 55.91,32.7 v2(56.02,32.65) L35.8 ; C82.1 v2(173.03,57.92) 172.98,57.5 172.96,57.39 172.93,57.27 172.91,57.16 172.88,57.05 172.84,56.93 172.81,56.82 172.76,56.71 172.72,56.61 172.67,56.5 172.61,56.39 172.56,56.29 172.5,56.19 172.43,56.09 172.37,56 v2(172.3,55.9) 171.48,54.86 ; 160.37,39.55 160.36,39.41 160.36,39.26 160.38,39.12 160.41,38.97 160.46,38.83 160.52,38.7 160.6,38.58 160.68,38.46 160.78,38.35 160.89,38.26 161.01,38.17 161.14,38.1 161.28,38.04 161.42,38 161.56,37.97 L83.8 ; L71.8 155.15,80.42 155.01,80.45 154.87,80.49 154.73,80.55 154.6,80.62 154.48,80.7 154.37,80.8 154.27,80.91 154.18,81.02 154.11,81.15 154.05,81.28 154,81.42 153.97,81.56 153.95,81.71 153.94,81.85 153.96,82 ; L72.8 v2(156.45,65.34) 156.53,65.43 156.59,65.53 156.66,65.63 156.72,65.73 156.77,65.83 156.83,65.94 156.88,66.04 156.92,66.15 156.96,66.26 157,66.37 157.04,66.48 157.07,66.6 157.09,66.71 157.12,66.82 157.13,66.94 v2(157.19,67.36) C72.1 ; C73.1 v2(147.3,51.58) 147.24,51.16 147.23,51.05 147.22,50.93 147.21,50.81 147.21,50.7 147.21,50.58 147.22,50.46 147.23,50.34 147.24,50.23 147.26,50.11 147.29,50 147.31,49.88 147.34,49.77 147.38,49.66 147.41,49.55 v2(147.46,49.44) ; v2(87.64,117.41) 87.59,117.52 87.55,117.63 87.51,117.74 87.48,117.85 87.44,117.96 87.42,118.08 87.4,118.19 87.38,118.31 87.36,118.43 87.35,118.54 87.35,118.66 87.35,118.78 87.35,118.89 87.35,119.01 87.36,119.13 v2(87.41,119.55) C31.1 ; L24.8 v2(64.37,68.57) 64.43,68.67 64.5,68.77 64.56,68.87 64.62,68.97 64.67,69.08 64.72,69.18 64.76,69.29 64.81,69.4 64.84,69.51 64.88,69.62 64.91,69.74 64.94,69.85 64.96,69.97 64.98,70.08 64.99,70.2 v2(65.03,70.62) 63.29,70.8 ; C64.1 v2(132.92,38.06) 132.77,37.67 132.72,37.57 132.67,37.46 132.62,37.36 132.56,37.25 132.5,37.15 132.44,37.05 132.37,36.96 132.3,36.86 132.23,36.77 132.15,36.68 132.07,36.6 131.99,36.52 131.9,36.44 131.81,36.36 v2(131.72,36.28) L64.8 ; v2(128.05,104.8) 128.05,104.92 128.04,105.03 128.05,105.15 128.05,105.27 128.06,105.38 128.08,105.5 128.1,105.62 128.12,105.73 128.14,105.84 128.17,105.96 128.21,106.07 128.25,106.18 128.29,106.29 128.33,106.4 128.38,106.5 v2(128.57,106.88) C51.1 ; C34.1 v2(81.94,68.84) 81.9,68.42 81.88,68.3 81.86,68.19 81.84,68.07 81.82,67.96 81.79,67.85 81.75,67.73 81.71,67.62 81.67,67.51 81.63,67.41 81.58,67.3 81.52,67.19 81.47,67.09 81.41,66.99 81.34,66.89 v2(81.27,66.8) L34.8 ; 158.47,84.35 v2(156.73,84.59) 156.67,84.17 156.66,84.05 156.65,83.94 156.64,83.82 156.64,83.7 156.64,83.59 156.65,83.47 156.66,83.35 156.67,83.24 156.69,83.12 156.71,83.01 156.74,82.89 156.77,82.78 156.81,82.67 156.84,82.56 v2(156.89,82.45) ; L43.8 99.82,77.63 99.69,77.7 99.56,77.78 99.45,77.87 99.35,77.97 99.25,78.09 99.17,78.21 99.11,78.34 99.06,78.48 99.02,78.62 98.99,78.76 98.99,78.91 98.99,79.06 99.02,79.2 99.06,79.34 SW43.5 ; 138.12,91.44 138.1,91.29 138.11,91.14 138.13,91 138.16,90.86 138.21,90.72 138.27,90.58 138.34,90.46 138.43,90.34 138.53,90.23 138.64,90.14 138.76,90.05 138.89,89.98 139.03,89.93 139.17,89.88 139.31,89.85 L61.8 ; 126.93,88.77 v2(128.51,88) 128.32,87.62 128.27,87.52 128.21,87.41 128.15,87.31 128.09,87.21 128.02,87.12 127.95,87.03 127.88,86.93 127.8,86.85 127.72,86.76 127.64,86.68 127.55,86.6 127.46,86.52 127.37,86.45 127.28,86.38 v2(127.18,86.31) 126.08,85.56 ; L42.8 v2(110.17,94.09) 110.27,94.16 110.36,94.24 110.45,94.31 110.53,94.39 110.62,94.48 110.7,94.56 110.77,94.65 110.85,94.74 110.92,94.84 110.98,94.93 111.05,95.03 111.11,95.13 111.17,95.23 111.22,95.34 111.27,95.45 v2(111.44,95.83) 109.84,96.54 ; L44.8 v2(101.82,60.59) 101.91,60.66 102.01,60.74 102.09,60.81 102.18,60.89 102.26,60.98 102.34,61.06 102.42,61.15 102.49,61.24 102.57,61.34 102.63,61.43 102.7,61.53 102.76,61.63 102.81,61.74 102.87,61.84 102.92,61.95 v2(103.09,62.33) 101.49,63.04 ; 88.06,115.1 85.97,115.32 85.83,115.35 85.68,115.38 85.55,115.44 85.42,115.5 85.29,115.58 85.18,115.67 85.08,115.78 84.98,115.89 84.9,116.02 84.84,116.15 84.79,116.28 84.75,116.42 84.73,116.57 84.72,116.72 84.73,116.86 ; 128.69,58.43 128.67,58.28 128.68,58.13 128.7,57.99 128.73,57.85 128.78,57.71 128.84,57.58 128.91,57.45 129,57.33 129.1,57.23 129.21,57.13 129.33,57.04 129.46,56.97 129.6,56.92 129.74,56.87 129.88,56.85 131.96,56.55 ; 70.4,104.24 v2(72.14,104.06) 72.1,103.64 72.08,103.52 72.07,103.41 72.04,103.29 72.02,103.18 71.99,103.06 71.95,102.95 71.91,102.84 71.87,102.73 71.83,102.62 71.78,102.52 71.72,102.41 71.67,102.31 71.61,102.21 71.54,102.11 v2(71.48,102.01) L22.8 ; 142.63,93.78 v2(140.89,94.03) 140.83,93.61 140.82,93.49 140.81,93.37 140.8,93.26 140.8,93.14 140.8,93.02 140.81,92.91 140.82,92.79 140.83,92.67 140.85,92.56 140.87,92.44 140.9,92.33 140.93,92.21 140.97,92.1 141,91.99 v2(141.05,91.88) ; v2(110.4,112.6) 110.39,112.72 110.38,112.83 110.38,112.95 110.38,113.07 110.39,113.19 110.4,113.3 110.41,113.42 110.43,113.53 110.45,113.65 110.48,113.76 110.51,113.88 110.54,113.99 110.58,114.1 110.62,114.21 110.67,114.32 v2(110.84,114.7) C41.1 ; v2(80.53,83.97) 80.48,84.08 80.44,84.19 80.4,84.3 80.37,84.41 80.34,84.52 80.31,84.64 80.29,84.75 80.27,84.87 80.26,84.99 80.25,85.1 80.24,85.22 80.24,85.34 80.24,85.45 80.25,85.57 80.26,85.69 v2(80.3,86.11) C33.1 ; L84.8 v2(153.29,24.53) 153.38,24.61 153.47,24.68 153.56,24.76 153.64,24.85 153.72,24.93 153.79,25.02 153.87,25.11 153.94,25.21 154.01,25.3 154.07,25.4 154.13,25.5 154.19,25.6 154.24,25.71 154.29,25.81 154.34,25.92 v2(154.49,26.31) 152.87,26.97 ; 51.32,98.35 v2(49.68,98.98) 49.53,98.59 49.49,98.48 49.45,98.37 49.42,98.26 49.39,98.14 49.37,98.03 49.35,97.91 49.33,97.8 49.32,97.68 49.31,97.56 49.3,97.44 49.3,97.33 49.31,97.21 49.32,97.09 49.33,96.98 v2(49.34,96.86) ; SW33.5 77.61,83.28 77.62,83.13 77.64,82.98 77.68,82.84 77.73,82.71 77.8,82.58 77.88,82.45 77.97,82.34 78.07,82.23 78.19,82.14 78.31,82.06 78.44,82 78.58,81.94 78.72,81.91 78.86,81.88 80.95,81.66 ; v2(37.37,26.04) 37.28,25.96 37.2,25.89 37.1,25.81 37.01,25.74 36.91,25.68 36.82,25.61 36.72,25.55 36.61,25.49 36.51,25.44 36.4,25.39 36.29,25.35 36.18,25.3 36.07,25.27 35.96,25.23 35.85,25.2 v2(35.44,25.1) 35.02,26.8 ; SW53.5 115.56,71.96 115.51,71.82 115.49,71.67 115.47,71.53 115.48,71.38 115.49,71.23 115.53,71.09 115.57,70.95 115.64,70.82 115.71,70.69 115.8,70.58 115.9,70.47 116.01,70.37 116.13,70.29 116.26,70.22 118.15,69.3 ; SW23.5 60.7,85.05 60.71,84.91 60.73,84.76 60.77,84.62 60.82,84.48 60.89,84.35 60.97,84.23 61.06,84.12 61.17,84.01 61.28,83.92 61.4,83.84 61.53,83.77 61.67,83.72 61.81,83.68 61.96,83.66 L23.8 ; v2(63.62,85.75) 63.57,85.86 63.53,85.96 63.49,86.08 63.46,86.19 63.43,86.3 63.4,86.42 63.38,86.53 63.36,86.65 63.35,86.76 63.34,86.88 63.33,87 63.33,87.11 63.33,87.23 63.34,87.35 63.35,87.46 v2(63.39,87.88) C23.1 ; C53.1 v2(119.05,73.7) 118.87,73.32 118.82,73.21 118.77,73.1 118.73,72.99 118.69,72.88 118.66,72.77 118.63,72.66 118.6,72.54 118.58,72.43 118.56,72.31 118.55,72.2 118.54,72.08 118.53,71.96 118.53,71.85 118.53,71.73 v2(118.54,71.61) ; C32.1 v2(89.05,102.28) 89.01,101.86 88.99,101.74 88.97,101.63 88.95,101.51 88.92,101.4 88.89,101.29 88.86,101.17 88.82,101.06 88.78,100.95 88.73,100.85 88.68,100.74 88.63,100.63 88.57,100.53 88.51,100.43 88.45,100.33 v2(88.38,100.24) L32.8 ; v2(163.3,40) 163.26,40.11 163.22,40.22 163.18,40.33 163.15,40.45 163.13,40.56 163.1,40.68 163.09,40.79 163.07,40.91 163.06,41.02 163.06,41.14 163.05,41.26 163.06,41.38 163.06,41.49 163.07,41.61 163.09,41.73 v2(163.14,42.14) C83.1 ; 116.57,52.38 v2(117.67,53.12) 117.76,53.19 117.86,53.26 117.95,53.33 118.03,53.41 118.12,53.49 118.2,53.57 118.28,53.66 118.36,53.75 118.43,53.84 118.5,53.93 118.57,54.03 118.64,54.13 118.7,54.23 118.75,54.33 118.81,54.43 v2(118.99,54.81) 117.42,55.58 ; 49.15,94.52 47.19,95.28 47.06,95.34 46.93,95.42 46.81,95.5 46.7,95.6 46.61,95.71 46.52,95.83 46.45,95.96 46.39,96.09 46.34,96.23 46.31,96.37 46.3,96.52 46.3,96.67 46.31,96.81 46.35,96.95 SW13.5 ; SW25.5 39.02,23.54 39.16,23.6 39.28,23.67 39.4,23.75 39.51,23.85 39.61,23.95 39.7,24.07 39.78,24.2 39.84,24.33 39.89,24.47 39.92,24.61 39.94,24.76 39.94,24.9 39.93,25.05 39.9,25.19 39.39,27.23 ; 133.2,60.77 v2(131.46,61.02) 131.4,60.6 131.39,60.48 131.38,60.37 131.37,60.25 131.37,60.13 131.37,60.01 131.38,59.9 131.39,59.78 131.4,59.66 131.42,59.55 131.44,59.43 131.47,59.32 131.5,59.21 131.54,59.09 131.57,58.98 v2(131.62,58.87) ; L62.8 v2(140.61,74.78) 140.68,74.87 140.75,74.97 140.82,75.06 140.88,75.17 140.93,75.27 140.99,75.37 141.04,75.48 141.08,75.59 141.12,75.7 141.16,75.81 141.2,75.92 141.23,76.03 141.25,76.15 141.27,76.26 141.29,76.38 v2(141.35,76.79) C62.1
  Bottom w0.6: JPB4.2 54.11,118.8 54.14,118.79 54.18,118.79 54.21,118.79 54.25,118.79 54.28,118.8 54.32,118.81 54.35,118.83 54.38,118.84 54.41,118.87 54.43,118.89 54.46,118.92 54.48,118.94 54.5,118.97 54.51,119.01 54.53,119.05 54.55,119.09 54.57,119.12 54.59,119.16 54.62,119.2 54.64,119.23 54.67,119.26 54.7,119.29 54.73,119.32 54.76,119.35 54.8,119.38 54.83,119.4 54.87,119.42 54.91,119.44 54.95,119.46 v1(55.83,119.85) ; DL1.2 v1(64.01,123.06)
